# Altium PCB PCB1.PcbDoc (part 2 of 2)
Units mm, origin at the board's own origin, x right, y up, seen from the top; angles counter-clockwise.
Board outline 78 x 78 mm, 4 copper layers (Top Layer, GND, POWER, Bottom Layer), stack 1.49 mm thick; 100 components, 92 nets, 444 pads, 202 vias.
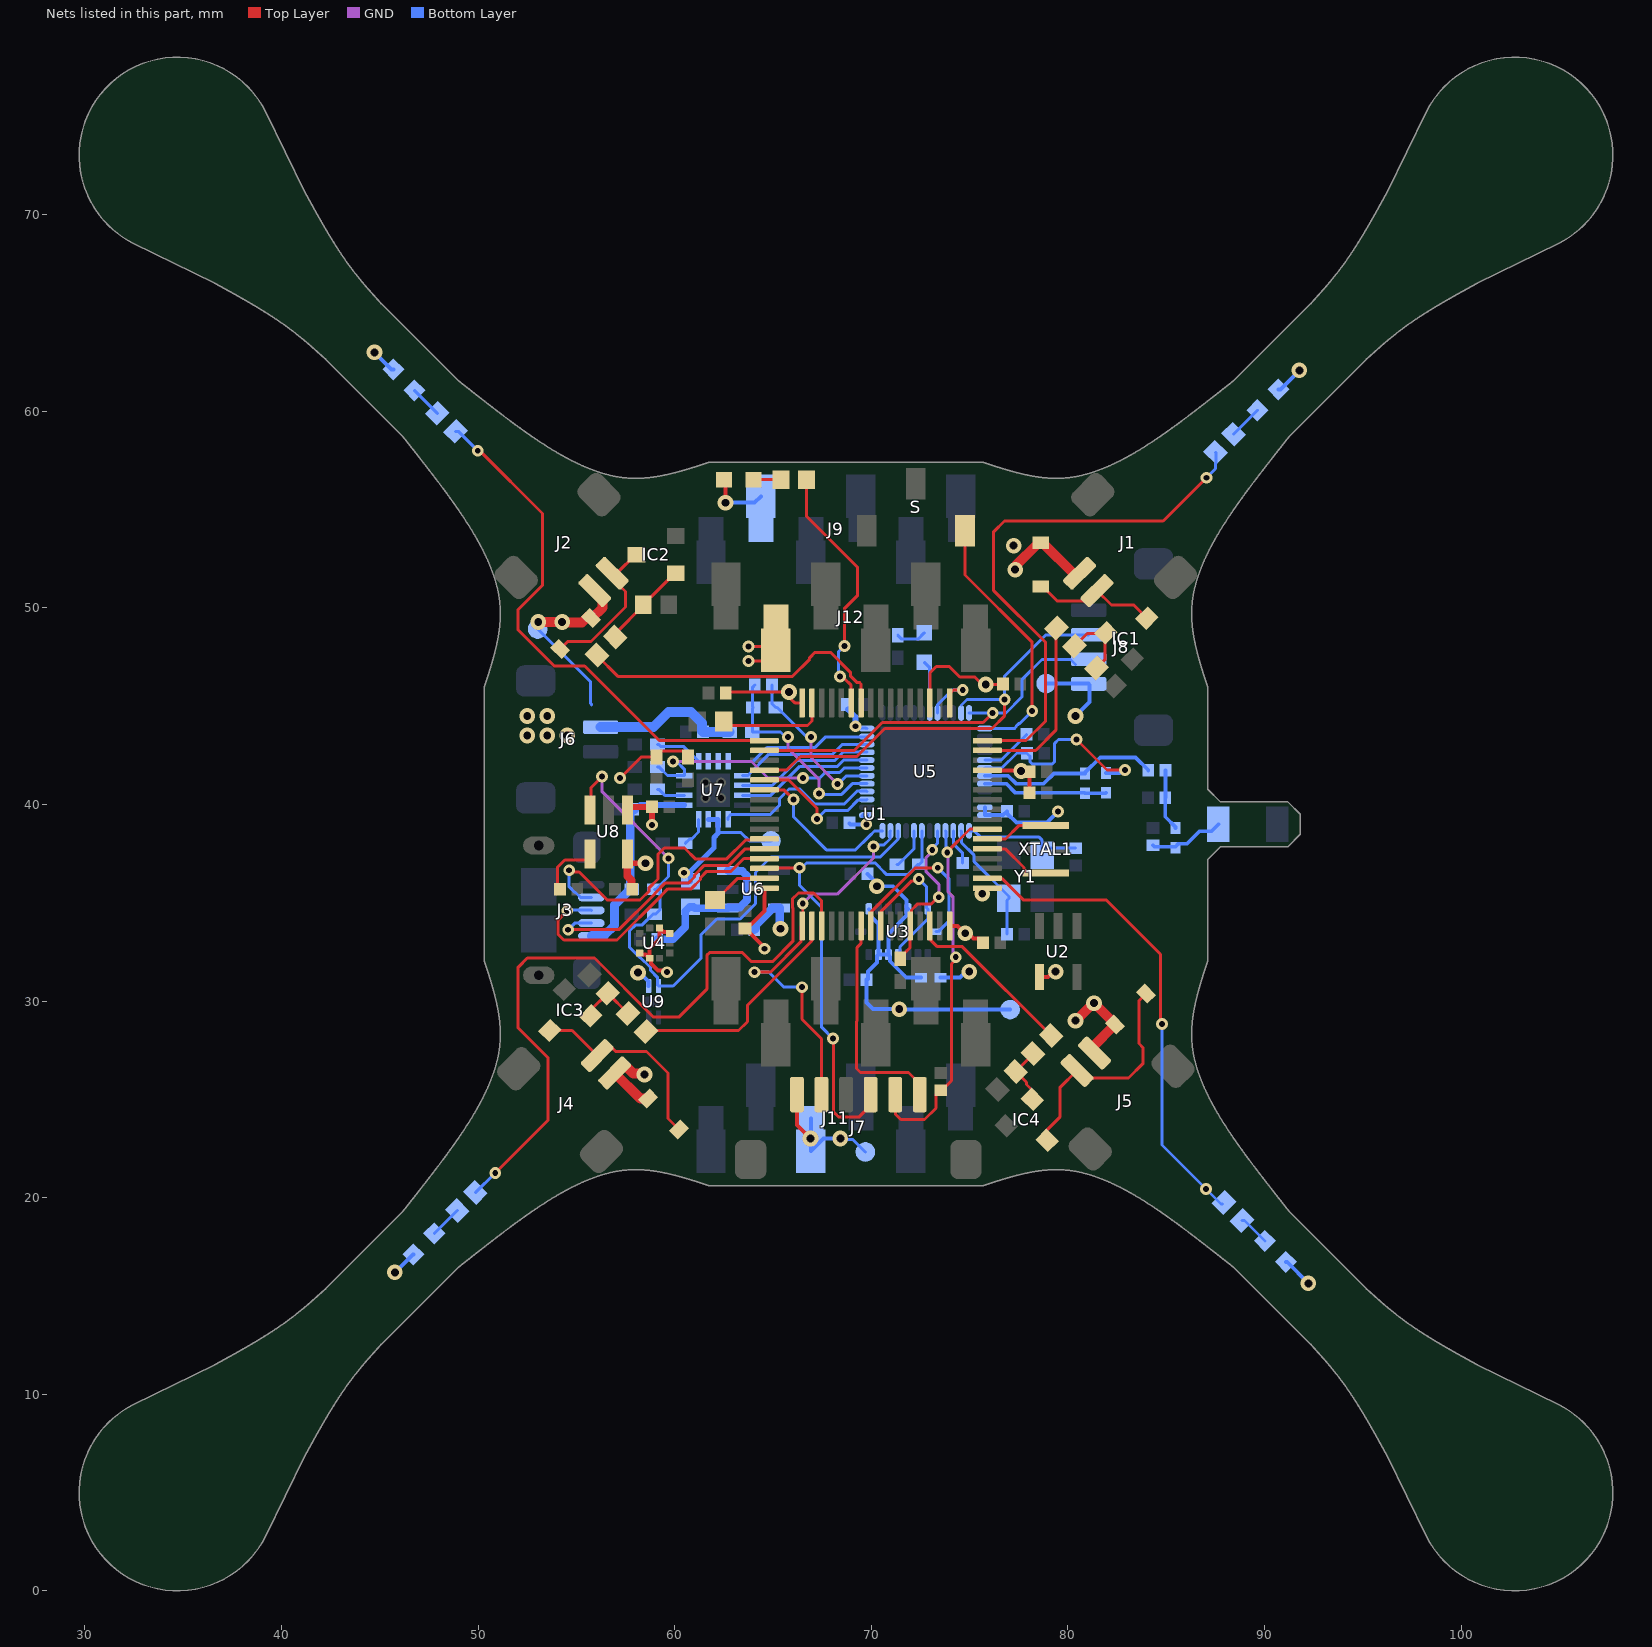
[diagram p4: the nets of this part, all layers, seen from the top]

## Via types
v1: diameter 0.61, hole 0.305, Top Layer to Bottom Layer, tented both sides, 84 vias
v2: diameter 0.6, hole 0.3, Top Layer to Bottom Layer, tented both sides, 84 vias
v3: diameter 0.8, hole 0.4, Top Layer to Bottom Layer, tented both sides, 32 vias
v4: diameter 0.6/0.6/0.6 (per signal layer), hole 0.3, Top Layer to Bottom Layer, tented both sides, 2 vias

## Nets (pads, with @x,y where several pads share a name; then routed paths per layer and width w, separated by ;. In a path a pad name is that pad's centre, name@x,y a point inside that pad or via, vN(x,y) a via of type N, cw(c..) or ccw(c..) an arc to the next point about the centre after c; other vN are vias at no path point) (continued)
INT_ACC: U1.56 U3.16 | length 8.9
  Top Layer w0.152: U1.56@69.981,33.827 69.981,34.422 69.977,34.426 69.977,34.512 72.245,36.779 v2(73.381,36.779)
  Bottom Layer w0.152: U3.16@73.284,33.528 73.399,33.528 73.96,34.089 73.96,36.2 v2(73.381,36.779)
INT_GYRO: U1.57 U3.1 U3.12 | length 8
  Top Layer w0.152: U1.57@70.481,33.827 70.481,34.422 70.485,34.426 70.485,34.544 72.06,36.119 72.332,36.119 v2(72.417,36.205)
  Bottom Layer w0.152: U3.12@71.374,32.368 71.466,32.46 71.466,32.761 72.874,34.169 U3.1@72.874,34.688 72.796,34.766 72.796,35.826 v2(72.417,36.205)
LED_BLUE_NRF: D10.1 U5.19 | length 2.7
  Bottom Layer w0.152: D10.1@72.695,47.231 72.971,46.954 U5.19@72.971,44.656
LED_BLUE_STM: R10.1 U1.27 | length 13.2
  Top Layer w0.152: R10.1@66.705,56.515 66.705,54.654 69.286,52.072 69.286,50.61 68.631,49.954 v2(68.631,48.057) ; v2(68.402,46.507) 68.488,46.422 68.616,46.422 68.981,46.056 U1.27@68.981,45.167
  Bottom Layer w0.152: v2(68.402,46.507) 68.326,46.584 68.326,47.752 v2(68.631,48.057)
LED_GREEN_L: R12.1 U1.33 | length 27.4
  Top Layer w0.152: v2(49.987,57.988) 50.089,57.988 53.278,54.799 53.278,51.145 52.045,49.912 52.045,48.87 53.873,47.041 55.423,47.041 59.217,43.247 U1.33@64.561,43.247
  Bottom Layer w0.152: R12.1@48.847,58.976 48.999,58.976 v2(49.987,57.988)
LED_GREEN_R: R14.1 U1.51 | length 37.2
  Top Layer w0.152: v2(50.876,21.26) 53.569,23.952 53.569,27.109 52.045,28.633 52.045,31.725 52.506,32.186 55.927,32.186 58.928,29.185 60.212,29.185 61.633,30.605 61.633,32.327 61.767,32.461 63.455,32.461 63.912,32.004 64.973,32.004 66.008,33.039 66.008,34.726 65.986,34.749 65.986,35.187 66.296,35.496 67.069,35.496 67.475,35.09 67.475,33.833 U1.51@67.481,33.827
  Bottom Layer w0.152: R14.1@49.863,20.272 49.888,20.272 v2(50.876,21.26)
LED_RED_L: R11.1 U1.16 | length 27.6
  Top Layer w0.152: U1.16@75.901,43.247 77.867,43.247 78.867,44.247 78.867,48.234 76.225,50.875 76.225,53.873 76.77,54.418 84.847,54.418 v2(87.046,56.617)
  Bottom Layer w0.152: v2(87.046,56.617) 87.503,57.074 87.503,57.348 87.538,57.383 87.538,57.877 R11.1@87.503,57.912
LED_RED_R: R13.1 U1.2 | length 24.5
  Top Layer w0.152: U1.2@75.901,36.247 76.631,36.247 77.724,35.154 81.94,35.154 84.715,32.379 84.715,28.9 v2(84.785,28.829)
  Bottom Layer w0.152: v2(84.785,28.829) 84.785,22.682 v2(87.02,20.447) 87.782,19.685 R13.1@87.859,19.685
MOTOR1: R2.1 U1.15 | length 9.1
  Top Layer w0.152: U1.15@75.901,42.747 78.358,42.747 79.388,43.777 79.388,48.938 R2.1@79.423,48.974
MOTOR2: R3.1 U1.26 | length 16.2
  Top Layer w0.152: R3.1@56.055,47.597 56.055,47.577 57.112,46.52 65.995,46.52 66.866,47.391 66.866,47.468 67.132,47.734 67.923,47.734 68.931,46.726 68.931,46.545 69.261,46.215 69.392,46.215 69.481,46.126 U1.26@69.481,45.167
MOTOR3: R6.1 U1.50 | length 11.6
  Top Layer w0.152: R6.1@58.547,28.448 58.582,28.483 59.076,28.483 59.091,28.499 63.252,28.499 63.703,28.95 63.703,29.794 66.981,33.072 U1.50@66.981,33.827
MOTOR4: R7.1 U1.62 | length 8.9
  Top Layer w0.152: U1.62@72.981,33.827 72.981,33.232 73,33.213 73,33.122 73.355,32.766 74.63,32.766 R7.1@79.149,28.247
NetANT1_1: ANT1.1 C18.2 L1.2 | length 3.8
  Bottom Layer w0.191: C18.2@84.328,37.922 84.397,37.853 85.471,37.853 85.626,38.008 86.065,38.008 86.69,38.633 87.298,38.633 ANT1.1@87.654,38.989
NetC7_1: C7.1 U1.47 | length 3
  Top Layer w0.152: C7.1@62.052,35.143 62.102,35.143 63.206,36.247 U1.47@64.561,36.247
NetC8_2: C8.2 U1.31 | length 5.6
  Top Layer w0.152: C8.2@62.499,44.221 62.702,44.018 66.751,44.018 66.981,44.248 U1.31@66.981,45.167
NetC11_2: C11.2 U5.38 Y1.1 | length 6.3
  Bottom Layer w0.152: U5.38@74.571,38.656 74.592,38.635 74.592,38.057 75.235,37.414 75.235,37.088 77.001,35.322 Y1.1@77.001,35.222 76.903,35.124 C11.2@76.903,33.401
NetC12_2: C12.2 U5.39 | length 1.9
  Bottom Layer w0.152: U5.39@74.171,38.656 74.171,38.006 74.631,37.547 74.631,37.016 C12.2@74.651,37.016
NetC13_2: C13.2 U5.29 | length 2.7
  Bottom Layer w0.152: U5.29@75.771,42.256 76.609,42.256 77.894,43.541 C13.2@77.894,43.561
NetC14_2: C14.2 U5.37 Y1.3 | length 6.4
  Bottom Layer w0.152: U5.37@74.971,38.656 75.238,38.656 75.54,38.354 78.511,38.354 78.689,38.176 Y1.3@78.689,37.778 ; Y1.3@78.701,37.422 78.689,37.434 Y1.3@78.689,37.778 ; C14.2@80.391,37.778 Y1.3@78.689,37.778
NetC16_1: C16.1 L2.2 U5.31 | length 9.3
  Bottom Layer w0.191: U5.31@75.771,41.456 76.957,41.456 77.354,41.059 78.776,41.059 79.297,41.58 80.866,41.58 L2.2@80.874,41.572 80.874,41.622 81.644,42.393 83.443,42.393 84.083,41.752 C16.1@84.083,41.732
NetC16_2: C16.2 C17.2 L1.1 | length 3.1
  Bottom Layer w0.191: C16.2@84.963,41.732 84.963,40.344 C17.2@84.954,40.335 84.954,39.37 85.471,38.853 L1.1@85.471,38.803
NetC22_2: C22.2 L3.1 U5.30 | length 10.6
  Top Layer w0.152: v2(80.438,43.303) 81.983,41.758 v2(82.906,41.758)
  Bottom Layer w0.152: U5.30@75.771,41.856 76.64,41.856 77.405,42.621 C22.2@77.902,42.621 ; C22.2@77.919,42.596 78.08,42.435 78.08,42.164 78.196,42.047 79.194,42.047 79.328,42.181 79.328,43.107 79.523,43.303 v2(80.438,43.303)
  Bottom Layer w0.191: L3.1@81.931,41.597 82.624,41.597 82.784,41.758 v2(82.906,41.758)
NetC24_2: C24.2 R21.1 U6.1 U6.3 | length 8.1
  Bottom Layer w0.4: C24.2@59.114,33.147 59.919,33.147 60.54,33.768 60.54,34.568 60.765,34.793 R21.1@60.808,34.793 ; R21.1@60.96,34.783 61.021,34.722 62.691,34.722 U6.1@62.706,34.737 62.735,34.766 63.315,34.766 63.678,35.128 63.678,36.374 63.443,36.608 62.735,36.608 U6.3@62.706,36.637
NetC29_2: C29.2 U8.4 | length 3.2
  Top Layer w0.152: C29.2@54.17,35.687 54.051,35.806 54.051,36.816 54.416,37.181 55.489,37.181 55.692,37.384 U8.4@55.692,37.49
NetD1_1: D1.1 IC1.3 J1.2 | length 6.5
  Top Layer w0.152: D1.1@78.613,51.084 78.715,51.084 79.457,50.343 80.945,50.343 J1.2@81.477,50.875 82.212,50.14 83.355,50.14 IC1.3@84.019,49.475
NetD2_1: D2.1 IC2.3 J2.2 | length 7.8
  Top Layer w0.152: D2.1@54.179,47.905 54.559,48.285 55.749,48.285 57.506,50.042 57.506,50.836 56.821,51.52 J2.2@56.821,51.759 57.059,51.759 58.005,52.705 IC2.3@58.055,52.705
NetD3_1: D3.1 IC3.3 J4.2 | length 10.4
  Top Layer w0.152: IC3.3@53.649,28.503 53.684,28.538 54.142,28.538 54.178,28.503 54.791,28.503 J4.2@56.064,27.23 56.442,27.608 56.826,27.608 57.002,27.432 58.572,27.432 59.665,26.34 59.665,24.028 D3.1@60.223,23.47
NetD4_1: D4.1 IC4.3 J5.2 | length 11.8
  Top Layer w0.152: IC4.3@78.939,22.915 78.904,22.95 78.904,23.408 79.589,24.093 79.589,25.596 J5.2@80.466,26.473 80.855,26.084 83.087,26.084 83.811,26.808 83.811,27.644 83.617,27.838 83.617,30.023 D4.1@83.972,30.378
NetD5_2: D5.2 R10.2 | length 1.4
  Top Layer w0.152: D5.2@64.014,56.515 R10.2@65.405,56.515
NetD6_2: D6.2 R11.2 | length 1.7
  Bottom Layer w0.152: R11.2@88.422,58.831 D6.2@89.64,60.049
NetD7_2: D7.2 R12.2 | length 1.7
  Bottom Layer w0.152: D7.2@46.758,61.065 R12.2@47.927,59.896
NetD8_2: D8.2 R13.2 | length 1.6
  Bottom Layer w0.152: R13.2@88.852,18.844 88.979,18.844 D8.2@90.021,17.802
NetD9_2: D9.2 R14.2 | length 1.7
  Bottom Layer w0.152: D9.2@47.774,18.183 R14.2@48.943,19.352
NetD10_2: D10.2 R20.1 | length 1.6
  Bottom Layer w0.152: R20.1@71.349,48.606 71.548,48.407 72.371,48.407 D10.2@72.695,48.731
NetIC1_1: IC1.1 R2.2 R4.2 | length 3.8
  Top Layer w0.152: R2.2@80.343,48.054 80.986,48.697 IC1.1@81.898,48.697 ; R4.2@81.455,46.942 81.898,47.384 IC1.1@81.898,48.697 ; IC1.1@81.933,48.733 IC1.1@81.898,48.697
NetIC2_1: IC2.1 R3.2 R5.2 | length 4.6
  Top Layer w0.152: R3.2@56.975,48.516 56.975,48.685 58.405,50.115 R5.2@58.405,50.165 58.405,50.215 58.754,50.564 58.814,50.564 60.005,51.755 IC2.1@60.055,51.755
NetIC3_1: IC3.1 R6.2 R8.2 | length 3
  Top Layer w0.152: IC3.1@55.735,29.245 55.735,29.543 R8.2@56.594,30.401 R6.2@57.628,29.367
NetIC4_1: IC4.1 R7.2 R9.2 | length 3
  Top Layer w0.152: IC4.1@78.197,25.001 78.197,25.459 77.893,25.762 77.893,25.866 R9.2@77.343,26.416 78.23,27.303 R7.2@78.23,27.328
NetL2_1: L2.1 L3.2 U5.32 | length 6.4
  Bottom Layer w0.191: U5.32@75.771,41.056 76.872,41.056 77.339,40.589 80.856,40.589 L2.1@80.874,40.572 81.906,40.572 L3.2@81.931,40.597
NetR19_1: R19.1 U5.44 | length 2.1
  Bottom Layer w0.152: R19.1@71.307,36.957 71.382,36.957 72.171,37.746 U5.44@72.171,38.656
NetR24_2: R24.2 U7.12 | length 1.6
  Bottom Layer w0.152: R24.2@60.544,38.024 60.768,38.248 60.868,38.248 61.214,38.594 U7.12@61.214,39.243
NetR25_2: R25.2 U7.14 | length 1.5
  Bottom Layer w0.152: R25.2@59.122,40.771 59.197,40.771 59.5,40.468 U7.14@60.489,40.468
NetR26_2: R26.2 U7.1 | length 2.4
  Bottom Layer w0.152: R26.2@59.122,43.053 59.197,43.053 59.31,42.941 60.467,42.941 U7.1@61.214,42.193
NetU1_5: U1.5 XTAL1.3 | length 3.6
  Top Layer w0.152: U1.5@75.901,37.747 76.807,37.747 77.762,36.792 77.762,36.621 77.864,36.519 XTAL1.3@78.867,36.519
NetU1_6: U1.6 XTAL1.1 | length 3.2
  Top Layer w0.152: U1.6@75.901,38.247 76.83,38.247 77.502,38.919 XTAL1.1@78.867,38.919
NRF_FLOW_CTRL: U1.17 U5.20 | length 3.2
  Top Layer w0.152: U1.17@73.981,45.167 73.981,45.631 74.172,45.822 v2(74.651,45.822)
  Bottom Layer w0.152: U5.20@73.371,44.656 73.371,45.075 74.117,45.822 v2(74.651,45.822)
NRF_RX: U1.37 U5.3 | length 6.8
  Top Layer w0.152: U1.37@64.561,41.247 65.8,41.247 67.234,39.813 v2(67.234,39.268)
  Bottom Layer w0.152: v2(67.234,39.268) 67.669,39.704 68.812,39.704 69.343,40.235 69.75,40.235 U5.3@69.771,40.256
NRF_SWCLK: J8.2 U1.34 U5.24 | length 19.6
  Top Layer w0.152: U1.34@64.561,42.747 69.139,42.747 70.562,44.171 75.692,44.171 v2(76.175,44.653)
  Bottom Layer w0.152: U5.24@74.971,44.656 74.974,44.653 v2(76.175,44.653) 76.846,44.653 77.655,45.463 77.655,46.342 78.684,47.371 80.134,47.371 J8.2@80.388,47.117
NRF_SWIO: J8.3 U1.36 U5.23 | length 22.8
  Top Layer w0.152: U1.36@64.561,41.747 65.699,41.747 66.394,42.442 69.265,42.442 70.689,43.866 76.135,43.866 76.784,44.515 v2(76.784,45.339)
  Bottom Layer w0.152: 74.592,45.06 74.592,45.063 74.869,45.339 v2(76.784,45.339) 76.784,46.533 78.882,48.631 J8.3@81.055,48.631
NRF_TX: U1.38 U5.48 | length 8.2
  Top Layer w0.152: U1.38@64.561,40.747 65.552,40.747 v2(66.04,40.259)
  Bottom Layer w0.152: v2(66.04,40.259) 66.04,39.37 67.716,37.694 69.201,37.694 69.892,38.385 70.163,38.656 U5.48@70.571,38.656
OTG_FS_DM: J3.2 U1.44 | length 13.1
  Top Layer w0.152: v2(54.585,33.63) 57.161,33.63 59.009,35.478 59.009,35.499 59.523,36.012 60.213,36.012 60.229,35.997 60.696,35.997 61.006,36.306 61.006,36.404 61.509,36.906 62.748,36.906 63.589,37.747 U1.44@64.561,37.747
  Bottom Layer w0.152: v2(54.585,33.63) 54.919,33.964 J3.2@55.761,33.964
OTG_FS_ID: J3.4 U1.43 | length 15.3
  Top Layer w0.152: v2(54.635,36.652) 54.721,36.567 55.141,36.567 56.569,35.138 58.239,35.138 58.704,35.604 58.704,35.767 59.15,36.213 59.15,37.47 59.471,37.79 60.497,37.79 61.072,37.216 62.627,37.216 63.597,38.186 64.5,38.186 U1.43@64.561,38.247
  Bottom Layer w0.152: v2(54.635,36.652) 54.635,35.814 54.923,35.527 54.956,35.527 55.219,35.264 J3.4@55.761,35.264
OTG_FS_PM: J3.3 U1.45 | length 15.1
  Top Layer w0.152: v2(54.534,34.595) 54.056,34.117 54.056,33.411 54.366,33.101 57.063,33.101 59.314,35.351 59.314,35.373 59.649,35.708 60.087,35.708 60.103,35.692 60.823,35.692 61.311,36.18 61.311,36.277 61.63,36.597 62.87,36.597 63.52,37.247 U1.45@64.561,37.247
  Bottom Layer w0.152: v2(54.534,34.595) 54.582,34.643 55.733,34.643 J3.3@55.761,34.614
PM_CHG: U5.4 U7.9 | length 8.5
  Bottom Layer w0.152: U7.9@62.714,39.243 62.714,39.332 62.879,39.497 64.872,39.497 65.329,39.954 65.329,40.295 65.821,40.788 66.364,40.788 67.116,40.035 68.636,40.035 69.278,40.677 69.75,40.677 U5.4@69.771,40.656
PM_CHG_EN: U5.11 U7.4 | length 7.6
  Bottom Layer w0.152: U7.4@62.714,42.193 64.003,42.193 64.715,42.905 67.148,42.905 67.681,43.439 69.754,43.439 U5.11@69.771,43.456
PM_EN1: U5.9 U7.6 | length 7
  Bottom Layer w0.152: U7.6@63.439,40.968 64.961,40.968 66.238,42.245 68.152,42.245 68.562,42.656 U5.9@69.771,42.656
PM_EN2: U5.10 U7.5 | length 7
  Bottom Layer w0.152: U7.5@63.439,41.468 63.724,41.468 63.805,41.549 63.805,41.564 64.791,42.55 68.025,42.55 68.531,43.056 U5.10@69.771,43.056
PM_ISET: R27.2 U5.7 U7.16 | length 13
  GND w0.152: v4(59.919,42.189) 63.906,42.189 64.745,41.351 v2(66.523,41.351)
  Bottom Layer w0.152: R27.2@59.122,41.912 59.197,41.912 59.641,41.468 U7.16@60.489,41.468 60.489,41.797 60.096,42.189 v4(59.919,42.189) ; v2(66.523,41.351) 67.382,41.351 67.656,41.626 68.394,41.626 68.625,41.856 U5.7@69.771,41.856
PM_PGOOD: U5.8 U7.7 | length 7.1
  Bottom Layer w0.152: U7.7@63.439,40.468 64.892,40.468 66.364,41.94 68.278,41.94 68.594,42.256 U5.8@69.771,42.256
STM_BOOT0: R1.2 U1.60 U5.41 | length 8.4
  Top Layer w0.152: R1.2@71.476,32.147 71.476,32.222 71.981,32.728 U1.60@71.981,33.827 72.045,33.891 72.045,34.638 72.336,34.928 73.036,34.928 73.388,35.281 v2(73.431,35.281) ; R1.2@71.593,31.902 R1.2@71.668,31.902
  GND w0.152: v2(73.101,37.694) 73.101,37.606 72.771,37.276 72.771,36.599 73.431,35.938 v2(73.431,35.281)
  Bottom Layer w0.152: v2(73.101,37.694) 73.101,37.758 73.371,38.027 U5.41@73.371,38.656
STM_NRST: C9.1 J7.2 U1.7 U5.40 | length 20.8
  Top Layer w0.152: J7.2@71.217,25.244 71.222,25.239 71.222,24.257 71.501,23.978 72.712,23.978 73.289,24.554 73.289,25.244 73.513,25.468 C9.1@73.533,25.468 ; C9.1@73.553,25.468 73.596,25.468 74.082,25.953 74.082,31.898 74.295,32.111 v2(74.295,32.233) ; v2(73.863,37.567) 73.838,37.567 75.018,38.747 U1.7@75.901,38.747
  GND w0.152: v2(73.863,37.567) 73.909,37.521 73.909,35.55 74.149,35.311 74.149,32.5 74.295,32.354 v2(74.295,32.233)
  Bottom Layer w0.152: U5.40@73.771,38.656 73.792,38.635 73.792,37.637 v2(73.863,37.567)
STM_SWCLK: J7.5 U1.49 U5.47 | length 20.1
  Top Layer w0.152: v2(64.059,31.471) 64.871,31.471 66.417,33.017 66.417,33.763 U1.49@66.481,33.827 ; v2(66.472,30.709) 66.472,29.077 67.467,28.082 J7.5@67.467,25.244 ; U1.49@66.514,33.861 v2(66.514,34.968)
  GND w0.152: v2(66.514,34.968) 66.985,35.438 68.266,35.438 70.111,37.283 70.111,37.839 v2@70.104,37.846
  Bottom Layer w0.152: v2(64.059,31.471) 64.795,31.471 65.557,30.709 v2(66.472,30.709) ; v2(70.111,37.856) 70.194,37.939 70.639,37.939 70.95,38.249 70.95,38.635 U5.47@70.971,38.656
STM_SWIO: J7.3 R19.2 U1.46 U5.43 | length 26.1
  Top Layer w0.152: U1.46@64.561,36.747 64.577,36.763 66.329,36.763 v2(66.345,36.779) ; v2(68.047,28.092) 68.072,28.067 68.072,24.377 68.334,24.115 69.388,24.115 69.967,24.694 J7.3@69.967,25.244
  Bottom Layer w0.152: v2(68.047,28.092) 67.475,28.664 67.475,34.755 66.345,35.885 v2(66.345,36.779) 66.466,36.779 66.71,37.023 70.202,37.023 70.449,36.776 70.449,36.765 70.785,36.428 71.853,36.428 72.382,36.957 R19.2@72.457,36.957 72.571,37.071 U5.43@72.571,38.656
STM_SWO: J7.1 U1.55 | length 11.4
  Top Layer w0.152: U1.55@69.481,33.827 69.469,33.815 69.469,32.918 69.286,32.735 69.286,29.007 69.253,28.974 69.253,26.575 69.456,26.373 71.888,26.373 72.467,25.794 J7.1@72.467,25.244
SWITCH: S.3 U5.25 | length 13.4
  Top Layer w0.152: S.3@74.763,53.918 74.763,51.671 78.181,48.253 v2(78.181,44.755)
  Bottom Layer w0.152: U5.25@75.771,43.856 77.282,43.856 77.365,43.939 77.365,43.976 77.499,44.11 77.536,44.11 v2(78.181,44.755)
VBAT: C15.2 R17.2 R18.1 U5.5 | length 10.6
  GND w0.152: v2(65.761,43.434) 65.761,42.861 67.335,41.286 v2(67.335,40.564)
  Bottom Layer w0.152: C15.2@64.076,46.076 63.966,45.966 63.966,44.958 R18.1@63.992,44.933 63.948,44.889 R17.2@63.948,43.688 65.385,43.688 65.639,43.434 v2(65.761,43.434) ; v2(67.335,40.564) 67.381,40.518 68.494,40.518 69.032,41.056 U5.5@69.771,41.056
VBAT_SINK: C15.1 R18.2 U5.6 | length 8.2
  GND w0.152: v2(66.929,43.434) 66.929,42.393 v2(68.275,41.046)
  Bottom Layer w0.152: C15.1@64.956,46.076 64.956,45.118 R18.2@65.142,44.933 ; R18.2@65.217,44.933 66.715,43.434 v2(66.929,43.434) ; v2(68.275,41.046) 68.326,41.046 68.736,41.456 U5.6@69.771,41.456
VBATT: C25.2 D1.2 D2.2 D3.2 D4.2 J1.1 J2.1 J4.1 J5.1 J6.1 pad.6 R17.1 U7.2 U7.3 | length 30.9
  Top Layer w0.5: v3(53.061,49.276) v3(54.28,49.276) 54.305,49.251 55.291,49.251 55.591,49.551 55.68,49.551 D2.2@55.752,49.478 55.803,49.478 56.326,50.002 56.326,50.486 J2.1@55.937,50.875 ; v3@58.509,26.264 v3(58.471,26.264) 58.413,26.321 57.893,26.321 57.478,26.735 57.337,26.735 J4.1@56.948,26.346 58.251,25.044 58.416,25.044 58.488,24.971 58.577,24.971 D3.2@58.649,25.044 ; v3(77.318,51.943) 77.375,52 77.375,52.174 78.448,53.247 78.55,53.247 D1.2@78.613,53.31 78.715,53.31 80.359,51.666 80.5,51.666 J1.1@80.593,51.759 ; v3(80.391,29.007) 80.416,29.007 81.305,29.896 v3(81.331,29.896) 81.382,29.846 82.398,28.829 D4.2@82.398,28.804 81.221,27.627 81.221,27.486 J5.1@81.35,27.357
  Bottom Layer w0.152: pad.6@53.035,48.92 55.728,46.228 55.728,45.136 55.778,45.085 55.778,45.06
  Bottom Layer w0.5: J6.1@56.232,43.932 58.918,43.932 59.69,44.704 60.833,44.704 61.39,44.147 61.39,43.738 C25.2@61.44,43.688 R17.1@62.798,43.688
  other v3: 52.502,43.51 53.518,43.51 54.534,43.51 52.502,44.501 53.518,44.501 77.241,53.162
VCC: C1.2 C2.2 C3.2 C4.2 C5.2 C6.2 C30.2 D5.1 D6.1 D7.1 D8.1 D9.1 J7.6 J9.5 J11.4 J12.5 L4.1 pad.3 R15.1 R16.1 U1.13 U1.19 U1.32 U1.48 U1.64 U2.4 U8.5 | length 48.5
  Top Layer w0.152: v2(57.228,41.341) 58.295,42.409 R15.1@59.08,42.409 59.08,42.484 59.304,42.708 59.38,42.708 59.39,42.718 60.446,42.718 60.681,42.484 R16.1@60.681,42.409 ; C4.2@62.594,45.669 62.645,45.72 v3(65.811,45.72) 65.935,45.596 65.935,45.344 66.112,45.167 U1.32@66.481,45.167 ; v2(63.754,47.295) 64.592,47.295 J12.5@65.151,47.854 64.973,48.031 v2(63.754,48.031) ; U1.19@72.981,45.167 72.981,46.692 73.304,47.015 73.972,47.015 74.505,46.482 75.263,46.482 75.644,46.101 v3(75.819,46.101) 76.674,46.101 C3.2@76.7,46.126
  Top Layer w0.2: D5.1@62.514,56.515 62.586,56.443 v3(62.586,55.347) ; C2.2@63.576,33.698 C2.2@63.596,33.698 ; U1.48@64.561,35.747 64.561,34.585 63.873,33.898 63.796,33.898 C2.2@63.596,33.698 ; v2(64.567,32.664) 64.567,32.727 C2.2@63.596,33.698 ; J7.6@66.217,25.244 66.217,23.699 v3(66.904,23.012) ; U1.64@73.981,33.827 74.383,33.827 74.758,33.452 v3(74.778,33.452) 74.94,33.452 75.203,33.189 75.484,33.189 75.684,32.989 C1.2@75.684,32.969 ; U1.13@75.901,41.747 75.921,41.727 77.602,41.727 v3(77.622,41.707) 77.843,41.707 77.919,41.783 C6.2@78.046,41.656 C5.2@78.046,40.589 ; U2.4@78.552,31.217 78.981,31.217 79.26,31.496 v3(79.375,31.496)
  Top Layer w0.3: U8.5@57.592,37.49 57.592,37.086 57.721,36.957 57.772,37.008 v3(58.522,37.008)
  Top Layer w0.4: U8.5@57.592,37.086 57.592,36.363 57.81,36.144 57.81,35.721 C30.2@57.844,35.687
  Bottom Layer w0.152: v3@68.453,23.063 68.552,22.965 69.06,22.965 pad.3@69.698,22.327
  Bottom Layer w0.2: v3(44.729,62.992) 45.596,62.125 D7.1@45.698,62.125 ; v3(45.771,16.205) 46.688,17.123 D9.1@46.714,17.123 ; v3(62.586,55.347) 64.072,55.347 J9.5@64.389,55.664 ; J11.4@66.929,24.041 J11.4@66.929,22.365 67.577,23.012 v3(68.428,23.012) ; L4.1@73.525,31.191 74.514,31.191 74.818,31.496 v3(74.981,31.496) ; D6.1@90.7,61.109 90.802,61.109 v3(91.77,62.078) ; D8.1@91.081,16.742 91.132,16.742 v3(92.227,15.646)
VCCA: C10.2 C28.2 L4.2 pad.2 U3.3 U3.7 U3.10 U3.11 U4.1 U4.5 U4.6 U4.10 | length 25.6
  Top Layer w0.2: U4.10@58.214,32.444 58.289,32.369 58.524,32.369 58.771,32.121 U4.1@58.786,32.121 ; v2(59.614,31.471) 59.537,31.547 59.148,31.547 58.786,31.908 U4.1@58.786,32.121 ; U4.5@59.744,33.444 59.669,33.519 59.434,33.519 59.244,33.709 U4.6@59.229,33.709 59.229,33.165 58.729,32.665 U4.1@58.729,32.179 U4.1@58.786,32.121
  Bottom Layer w0.2: C28.2@69.757,31.09 69.757,29.921 70.087,29.591 v3(71.425,29.591) 71.438,29.578 77.051,29.578 pad.2@77.064,29.566 ; C28.2@69.799,31.09 69.825,31.115 69.825,31.496 70.301,31.973 70.301,32.295 U3.10@70.374,32.368 ; C10.2@69.807,36.474 69.807,36.454 70.282,35.98 v3(70.282,35.839) 71.11,35.839 71.801,35.148 71.801,34.761 U3.3@71.874,34.688 71.801,34.615 71.801,34.345 70.874,33.417 70.874,32.393 U3.11@70.841,32.36 ; U3.7@69.875,34.671 69.947,34.6 69.947,34.343 70.374,33.916 U3.10@70.374,32.368 ; U3.11@70.841,32.368 U3.10@70.374,32.368 ; U3.11@70.891,32.309 70.947,32.254 70.947,32.025 71.78,31.191 L4.2@72.525,31.191
VCCnrf: C19.2 C20.2 C21.2 C23.2 J8.1 pad.5 U1.1 U5.1 U5.12 U5.35 U5.36 U6.5 | length 15
  Bottom Layer w0.152: v2@69.295,44.082 69.295,43.999 69.409,43.884 69.743,43.884 U5.12@69.771,43.856
  Bottom Layer w0.203: C19.2@68.885,39.04 68.936,38.989 v2(69.748,38.989) 69.76,39 69.76,39.411 69.75,39.421 U5.1@69.748,39.421 ; U5.1@69.558,39.411 69.599,39.452 U5.1@69.771,39.452 ; U5.35@75.771,39.852 U5.36@75.771,39.456 76.71,39.456 C20.2@76.903,39.649 76.903,39.55 77.378,39.075 78.928,39.075 v2(79.502,39.649) ; pad.5@78.892,46.152 78.903,46.141 81.045,46.141 J8.1@81.055,46.131 81.102,46.084 81.102,45.212 v3(80.391,44.501)
  Bottom Layer w0.3: C21.2@68.834,44.831 68.814,44.831 69.193,44.452 v2(69.193,43.98)
  Bottom Layer w0.45: C23.2@64.05,33.63 64.125,33.705 64.125,33.876 64.982,34.733 65.306,34.733 U6.5@65.31,34.737 65.341,34.737 65.345,34.733 65.345,33.715 v3(65.38,33.68)
  other v3: 75.641,35.458
VCOM: C27.2 pad.4 R21.2 U7.10 U7.11 U8.1 U9.3 | length 10.1
  Top Layer w0.305: U8.1@57.683,39.827 57.734,39.878 C27.2@58.844,39.878 58.848,39.874 58.848,38.993 v2@58.852,38.989
  Bottom Layer w0.152: 62.205,38.532 62.214,38.541 62.251,38.578 63.367,38.578 63.794,38.151 pad.4@64.897,38.151
  Bottom Layer w0.2: v3(58.141,31.445) 58.22,31.445 58.678,30.987 U9.3@58.678,30.767
  Bottom Layer w0.254: R21.2@60.808,36.093 60.808,36.601 61.997,37.79 61.997,38.324 62.205,38.532 ; U7.11@61.714,39.243 U7.10@62.214,39.243 62.214,38.541
  other v2: 60.477,36.525 58.852,38.964
VEN_D: R22.1 R23.2 U5.46 U8.3 U9.4 | length 33.2
  Top Layer w0.152: U8.3@55.692,39.726 55.753,39.787 55.753,40.869 v2(56.312,41.427)
  GND w0.152: v2(56.312,41.427) 56.312,40.64 v2(59.69,37.262)
  Bottom Layer w0.152: R22.1@58.97,35.687 R22.1@59.045,35.687 ; R22.1@59.083,35.726 59.69,36.332 v2(59.69,37.262) ; R22.1@59.122,35.687 59.249,35.56 59.249,34.641 59.025,34.417 58.895,34.417 58.355,33.877 58.021,33.877 57.705,33.562 57.705,32.732 58.219,32.219 58.256,32.219 58.769,31.706 58.769,31.568 59.119,31.218 59.119,30.826 U9.4@59.178,30.767 59.923,30.767 61.349,32.193 61.349,33.384 62.144,34.178 63.334,34.178 64.106,34.951 64.106,36.538 64.896,37.328 70.459,37.328 71.35,38.218 71.35,38.635 U5.46@71.371,38.656
VUSB: C26.2 J3.1 R22.2 U7.13 | length 10.3
  Bottom Layer w0.152: C26.2@57.895,39.751 C26.2@58.092,39.751
  Bottom Layer w0.3: 58.25,39.968 U7.13@60.489,39.968
  Bottom Layer w0.45: J3.1@55.761,33.314 55.786,33.339 56.428,33.339 56.947,33.858 56.947,34.889 57.67,35.612 57.745,35.612 R22.2@57.82,35.687 57.744,35.762 57.744,39.58 57.915,39.751 C26.2@57.97,39.751
pads on no net: ANT1.2 J1.M J2.M J4.M J5.M J6.M J7.M J8.M S.1 U1.3 U1.4 U1.8 U1.9 U1.10 U1.11 U1.14 U1.35 U1.39 U1.42 U3.2 U3.5 U3.13 U3.14 U4.7 U5.2 U5.14 U5.15 U5.16 U5.17 U5.18 U5.21 U5.22 U5.26 U5.27 U5.28 U5.42 U5.45 U6.4

## Polygon pours and split planes (outlines as drawn)
GND on Bottom Layer "GND_L04_P060" (solid, remove dead copper, pour order 60): 41.199,61.011 45.745,65.557 88.976,65.557 94.92,59.614 94.92,17.272 90.475,12.827 48.209,12.827 41.199,19.837
VCOM on Bottom Layer "VCOM_L04_P032" (solid, remove dead copper, pour order 32): 62.332,39.649 62.332,37.499 61.443,36.61 61.443,35.662 60.477,35.662 60.477,36.474 60.503,36.5 60.503,36.627 61.57,37.694 61.57,39.649
VBATT on Bottom Layer "VBATT_L04_P020" (solid, pour order 20): 57.219,44.762 56.668,45.314 52.299,45.314 51.918,44.933 51.918,43.103 52.299,42.723 54.762,42.723 55.245,43.205 55.245,43.256 56.972,43.256 57.219,43.503
GND on Bottom Layer "GND_L04_P040" (solid, remove dead copper, pour order 40): 74.6,38.049 75.235,37.414 75.235,37.088 76.407,35.916 76.454,35.916 76.454,35.869 77.001,35.322 76.903,35.224 76.903,33.401 80.493,33.401 80.391,33.503 80.391,37.778 78.689,37.778 78.689,38.176 78.511,38.354 75.54,38.354 75.238,38.656 74.614,38.656 74.592,38.635 74.6,38.627
VCOM on Bottom Layer "VCOM_L04_P034" (solid, remove dead copper, pour order 34): 62.467,39.157 62.502,39.192 64.745,39.192 64.745,37.668 63.983,36.906 61.487,36.906
VBATT on Bottom Layer "VBATT_L04_P014" (solid, pour order 14): 61.57,41.783 62.357,41.783 62.357,42.621 63.017,43.282 63.271,43.282 63.271,44.044 61.163,44.044 61.163,43.256 61.57,42.85
VCOM on Bottom Layer "VCOM_L04_P030" (solid, remove dead copper, pour order 30): 62.332,39.649
VBATT on Bottom Layer "VBATT_L04_P016" (solid, pour order 16): 56.998,44.272
no net on Bottom Layer "tt" (solid, pour order 6): 80.772,37.211
GND on Top Layer "GND_L01_P050" (solid, remove dead copper, pour order 50): 41.199,61.011 45.745,65.557 88.976,65.557 94.92,59.614 94.92,17.272 90.475,12.827 48.209,12.827 41.199,19.837
VCCA on Top Layer "VCCA_L01_P068" (solid, remove dead copper, pour order 68): 58.141,34.061 58.141,32.563 58.547,32.156 59.715,32.156 60.35,32.791 60.35,34.29 60.198,34.29 59.512,34.976 58.979,34.976
VCC on Top Layer "VCC_L01_P064" (solid, remove dead copper, pour order 64): 56.413,38.354 56.413,36.652 56.896,36.17 58.344,36.17 58.344,35.636 58.369,35.611 59.512,36.754 60.985,36.754 60.985,37.313 60.554,37.744 60.554,38.506 58.445,38.506 58.42,38.481 57.887,39.014 56.82,39.014 56.464,38.659 56.464,38.405
VCOM on Top Layer "VCOM_L01_P036" (solid, remove dead copper, pour order 36): 60.503,39.091 59.807,39.091 59.512,39.385 59.512,39.827 58.877,40.462 57.328,40.462 57.328,39.014 57.937,39.014 58.572,38.379 59.817,38.379 60.046,38.608 60.071,38.608
VBATT on Top Layer "VBATT_L01_P024" (solid, remove dead copper, pour order 24): 76.835,51.206 76.383,51.919 76.383,54.342 81.075,54.328 80.95,51.74 80.95,51.587 80.239,50.876 79.908,50.876 79.019,51.765 78.08,51.765 77.521,51.206
VCC on Top Layer "VCC_L01_P062" (solid, remove dead copper, pour order 62): 56.515,38.329
VBATT on Top Layer "VBATT_L01_P028" (solid, remove dead copper, pour order 28): 59.233,25.248 59.233,25.959 59.157,26.391 58.471,27.076 57.379,27.076 57.379,27.051 56.236,25.908 57.149,25.959 57.988,25.248 58.522,24.714 58.75,24.714
VBATT on Top Layer "VBATT_L01_P026" (solid, remove dead copper, pour order 26): 55.88,50.292 53.111,50.292 52.375,49.555 52.375,49.022 52.705,48.692 55.651,48.692 56.693,49.733 56.693,50.317 56.495,50.317 55.937,50.875
VBATT on Top Layer "VBATT_L01_P022" (solid, remove dead copper, pour order 22): 81.178,27.076 80.086,28.169 80.086,28.524 79.832,28.778 79.832,29.362 81.077,30.607 81.509,30.607 82.804,29.312 82.804,28.626 81.535,27.357 81.35,27.357
GND on GND "GND_L02_P054" (solid, remove dead copper, pour order 54): 41.148,61.011 45.695,65.557 88.925,65.557 94.869,59.614 94.869,17.272 90.424,12.827 48.158,12.827 41.148,19.837
VCCnrf on POWER (split plane): 81.875,43.398 71.247,43.398 71.212,43.391 71.183,43.371 70.7,42.888 70.681,42.859 70.674,42.824 70.674,40.843 70.681,40.809 70.7,40.779 72.047,39.433 72.076,39.413 72.111,39.406 76.276,39.406 76.311,39.413 76.34,39.433 77.025,40.118 80.201,40.118 80.631,39.688 80.631,38.036 78.244,35.649 76.823,34.228 76.161,34.228 75.198,35.191 75.198,36.449 75.192,36.484 75.172,36.513 74.054,37.631 74.025,37.65 73.99,37.657 70.46,37.657 70.425,37.65 70.414,37.643 70.404,37.65 70.369,37.657 67.64,37.657 67.606,37.65 67.576,37.631 66.103,36.157 66.083,36.128 66.076,36.093 66.076,33.187 64.96,33.187 64.302,33.845 64.302,34.163 64.302,36.462 66.001,38.162 67.234,38.162 67.259,38.167 67.285,38.162 67.319,38.169 67.349,38.188 67.368,38.218 67.375,38.252 67.375,44.412 68.719,45.756 72.886,45.756 74.129,44.513 74.159,44.493 74.193,44.486 77.851,44.486 77.886,44.493 77.915,44.513 79.159,45.756 81.875,45.756
VCOM on POWER (split plane): 59.472,40.12 59.472,39.776 59.479,39.742 59.499,39.712 61.493,37.718 61.522,37.699 61.557,37.692 61.592,37.699 61.621,37.718 62.78,38.878 62.8,38.907 62.807,38.942 62.807,39.051 64.476,39.051 64.476,37.858 63.564,36.946 62.382,36.946 62.348,36.939 62.318,36.919 59.662,34.263 59.656,34.254 59.614,34.254 59.579,34.247 59.55,34.227 58.94,33.617 58.92,33.588 58.914,33.553 58.914,30.632 58.92,30.598 58.94,30.568 59.853,29.655 59.853,29.349 59.576,29.071 56.554,32.093 57.646,33.185 57.666,33.214 57.672,33.249 57.672,34.989 59.144,36.461 59.164,36.491 59.171,36.525 59.171,37.16 59.164,37.195 59.144,37.224 58.155,38.214 58.155,40.12 58.458,40.422 59.17,40.422
VCCA on POWER (split plane): 70.902,35.954 70.902,35.916 70.902,35.052 70.909,35.017 70.929,34.988 72.376,33.541 72.376,27.647 72.174,27.445 72.157,27.421 61.226,27.421 59.704,28.943 60.008,29.248 60.028,29.277 60.035,29.312 60.035,29.693 60.028,29.727 60.008,29.757 59.095,30.67 59.095,33.516 59.651,34.072 60.77,34.072 61.174,33.668 61.174,32.36 61.174,30.857 61.181,30.822 61.201,30.793 62.873,29.121 62.902,29.101 62.937,29.094 69.19,29.094 69.224,29.101 69.254,29.121 69.273,29.15 69.28,29.185 69.28,34.112 69.28,34.231 69.28,36.005 69.634,36.358 70.498,36.358
VBATT on POWER (split plane): 1045 vertices, not listed, extent 50.634,24.449 83.602,54.494
VCC on POWER (split plane): 10890 vertices, not listed, extent 42.188,12.321 95.459,65.475

## Keep-outs
Keep-Out Layer:
  drawing of 8083 lines, arcs and shapes, not listed

## Other copper
POWER (plane layer: these items are gaps in the copper):
  rectangle: 86.589,36.754 92.685,41.554
  region: 37.432,58.865 48.565,69.443 35.38,83.32 24.247,72.743
  region: 99.441,57.621 113.07,70.569 101.293,82.965 87.664,70.016
  region: 35.668,-5.21 49.459,7.892 37.682,20.288 23.891,7.185
  region: 102.014,-4.312 113.146,6.266 100.675,19.392 89.543,8.814
  region: 96.088,12.573
  lines w0.178: 50.211,52.995 51.8,54.585 54.159,54.585 57.306,51.438 60.071,54.204 82.779,54.204 82.779,48.793 80.747,48.793 79.172,50.368 59.538,50.368 55.982,46.812 55.982,45.771 ; 50.314,32.055 50.314,31.88 57.836,24.359 83.693,24.359 83.693,28.854 81.661,30.886 80.416,30.886 76.86,27.33 61.189,27.33 53.975,34.544 53.975,42.266 ; 54.026,42.266 54.096,42.195 58.467,42.195 64.509,42.195 64.567,42.253 64.567,45.847 64.541,45.822 57.344,45.822 56.032,45.822 ; 56.388,32.055 57.582,33.249 57.582,35.027 59.08,36.525 59.08,37.16 58.064,38.176 58.064,40.157 58.42,40.513 59.207,40.513 59.563,40.157 59.563,39.776 61.557,37.782 62.716,38.942 62.716,39.122 ; 59.614,28.981 59.944,29.312 59.944,29.693 59.004,30.632 59.004,33.553 59.614,34.163 60.808,34.163 61.265,33.706 61.265,32.36 61.265,30.857 62.937,29.185 69.19,29.185 69.19,34.112 69.19,34.231 69.19,36.043 69.596,36.449 70.536,36.449 70.993,35.992 70.993,35.916 70.993,35.052 72.466,33.579 72.466,27.61 72.238,27.381 ; 59.726,34.199 62.382,36.855 63.602,36.855 64.567,37.821 64.567,39.141 ; 62.763,39.141 64.516,39.141 ; 63.43,31.648 64.154,31.648 64.541,31.648 ; 64.211,34.138 64.211,36.5 65.964,38.252 67.234,38.252 ; 64.211,34.163 64.211,33.807 64.922,33.096 66.167,33.096 ; 66.167,33.122 66.167,36.093 67.64,37.567 70.369,37.567 ; 67.285,38.252 67.285,44.45 68.682,45.847 72.923,45.847 74.193,44.577 77.851,44.577 79.121,45.847 81.966,45.847 81.966,43.307 71.247,43.307 70.764,42.824 70.764,40.843 72.111,39.497 76.276,39.497 76.987,40.208 78.308,40.208 80.239,40.208 80.721,39.726 80.721,37.998 78.308,35.585 76.86,34.138 76.124,34.138 75.108,35.154 75.108,36.449 73.99,37.567 72.161,37.567 70.46,37.567

## Silkscreen, mask and mechanical layers (free items; w line width, h text height)
Bottom Overlay:
  text "+VBATT" at 57.48,48.692 h0.64
  text "+VCCnrf" at 78.537,46.99 h0.64 r270
  text "+VCOM" at 65.608,36.728 h0.64 r270
  text "+VCCA" at 78.715,30.429 h0.64
  text "+VCC" at 68.758,22.123 h0.64
Outline:
  drawing of 8065 lines, arcs and shapes, not listed

## Text inside footprints (layer, text, board x,y; h text height)
U2: Top Overlay "*" at 80.782,34.379 h1.27 r270; Mechanical 7 "Default Padstyle: RX52Y18D0T" at 72.873,41.402 h1.27 r270; Mechanical 7 "Pin 1 Padstyle: RX52Y18D0T" at 71.349,40.767 h1.27 r270; Mechanical 7 "Alt 1 Padstyle: OX60Y90D30P" at 66.777,41.084 h1.27 r270; Mechanical 7 "Alt 2 Padstyle: OX90Y60D30P" at 65.253,41.084 h1.27 r270; Mechanical 7 "0.071in/1.803mm" at 83.464,34.893 h0.64 r270; Mechanical 7 "0.126in/3.2mm" at 85.369,34.576 h0.64 r270; Mechanical 7 "0.122in/3.099mm" at 79.184,28.562 h0.64 r270; Mechanical 7 "0.037in/0.95mm" at 79.66,41.3 h0.64 r270; Mechanical 7 "0.024in/0.61mm" at 74.905,36.03 h0.64 r270; Mechanical 13 "*" at 79.817,33.477 h1.27 r270
U6: Mechanical 7 "Pin One Padstyle: RX43p5Y18D0T" at 54.483,43.79 h1.27 r180; Mechanical 7 "Default Padstyle: RX43p5Y18D0T" at 54.483,42.266 h1.27 r180; Mechanical 7 "Alt 1 Padstyle: OX60Y90D30P" at 55.435,48.362 h1.27 r180; Mechanical 7 "Alt 2 Padstyle: OX90Y60D30P" at 55.435,49.886 h1.27 r180; Mechanical 7 "0.059in/1.499mm" at 61.627,31.775 h0.64 r180; Mechanical 7 "0.118in/2.997mm" at 61.627,29.87 h0.64 r180; Mechanical 7 "0.118in/2.997mm" at 72.885,36.005 h0.64 r180; Mechanical 7 "0.037in/0.95mm" at 55.213,35.529 h0.64 r180; Mechanical 7 "0.075in/1.9mm" at 68.358,36.005 h0.64 r180; Mechanical 7 "0.024in/0.61mm" at 60.592,40.234 h0.64 r180; Mechanical 13 "*" at 63.195,35.499 h1.27 r180; Bottom Overlay "*" at 62.135,34.407 h1.27 r180
U7: Mechanical 7 "1.968504E-02in/.5mm" at 57.191,42.409 h0.64 r90; Mechanical 7 "1.968504E-02in/.5mm" at 61.782,35.945 h0.64 r90; Mechanical 7 "Alt 2 Padstyle: OX90Y60D30P" at 75.119,49.291 h1.27 r90; Mechanical 7 "Alt 1 Padstyle: OX60Y90D30P" at 72.579,49.291 h1.27 r90; Mechanical 7 "Default Padstyle: RX11p02Y33p46D0T" at 70.039,51.513 h1.27 r90; Mechanical 13 "*" at 61.218,43.57 h1.27 r90; Bottom Overlay "*" at 61.218,43.57 h1.27 r90
U8: Top Overlay "*" at 58.024,40.297 h1.27 r270; Mechanical 13 "*" at 57.059,39.548 h1.27 r270
XTAL1: Top Overlay "*" at 77.191,38.792 h1.27; Mechanical 13 "*" at 78.334,38.125 h1.27